# Altium PCB DIOT_Backplane.pcbdoc (part 10 of 11)
Units mm, origin at the board's own origin, x right, y up, seen from the top; angles counter-clockwise.
Board outline 304.8 x 128.5 mm, 14 copper layers (Top Layer, L2, L3GND, L4, L5GND, L6, L7GND, L8, L9GND, L10, L11GND, L12, L13GND, Bottom Layer), stack 4.06 mm thick; 141 components, 1224 nets, 5318 pads, 471 vias.
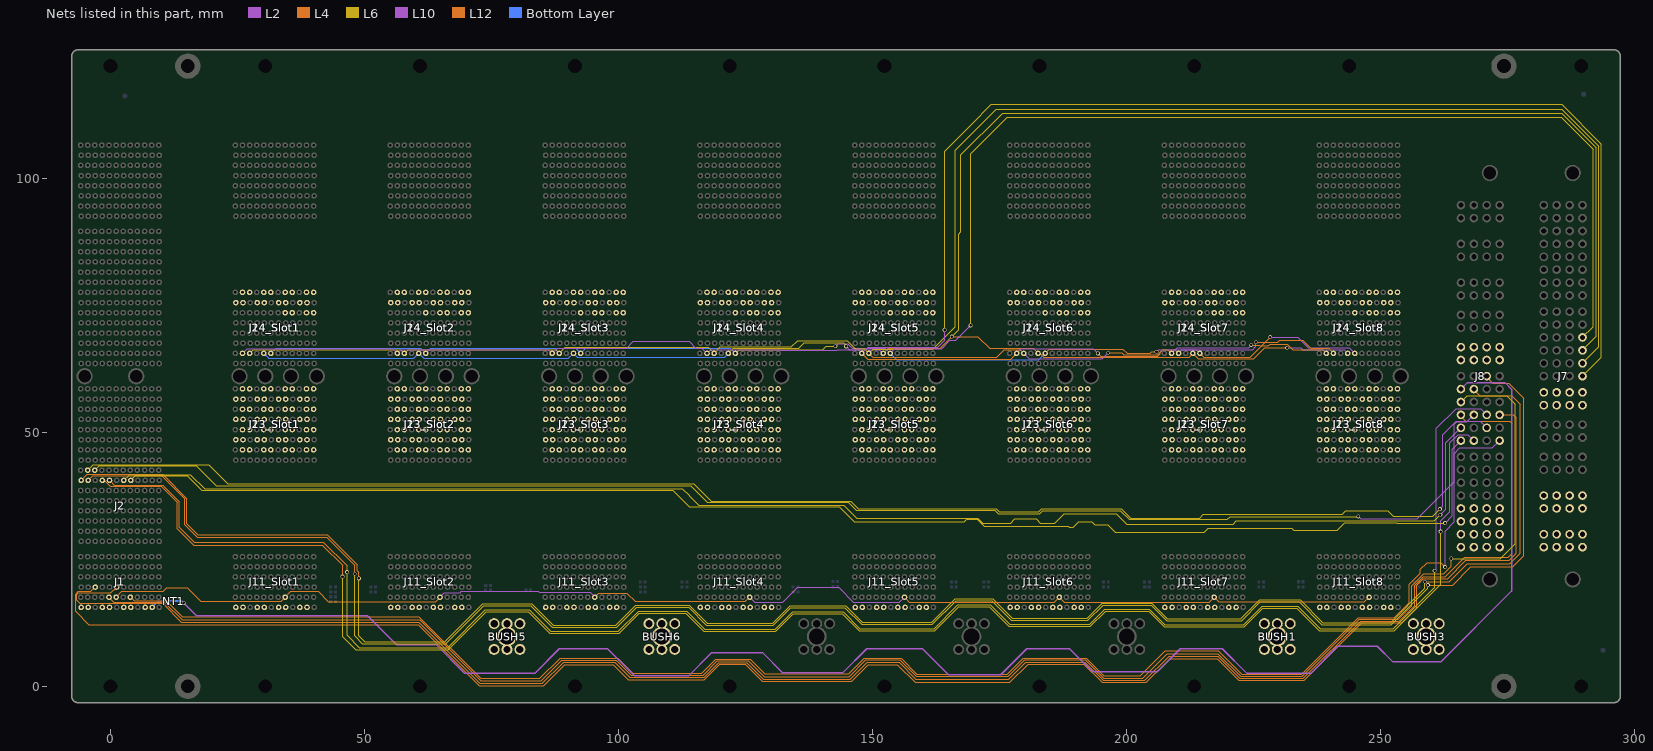
[diagram p22: the nets of this part, all layers, seen from the top]

## Via types
v1: diameter 0.75, hole 0.5, Top Layer to Bottom Layer, tented both sides, 429 vias
v2: diameter 0.85, hole 0.5, Top Layer to Bottom Layer, tented both sides, 32 vias
v3: diameter 1.3, hole 1, Top Layer to Bottom Layer, tented both sides, 10 vias

## Nets (pads, with @x,y where several pads share a name; then routed paths per layer and width w, separated by ;. In a path a pad name is that pad's centre, name@x,y a point inside that pad or via, vN(x,y) a via of type N, cw(c..) or ccw(c..) an arc to the next point about the centre after c; other vN are vias at no path point) (continued)
"IO27_Peripheral Slot 2": J14_Slot2.F6 J24_Slot2.F6
"IO27_Peripheral Slot 3": J14_Slot3.F6 J24_Slot3.F6
"IO27_Peripheral Slot 4": J14_Slot4.F6 J24_Slot4.F6
"IO27_Peripheral Slot 5": J14_Slot5.F6 J24_Slot5.F6
"IO27_Peripheral Slot 6": J14_Slot6.F6 J24_Slot6.F6
"IO27_Peripheral Slot 7": J14_Slot7.F6 J24_Slot7.F6
"IO27_Peripheral Slot 8": J14_Slot8.F6 J24_Slot8.F6
"IO28_Peripheral Slot 1": J14_Slot1.H6 J24_Slot1.H6
"IO28_Peripheral Slot 2": J14_Slot2.H6 J24_Slot2.H6
"IO28_Peripheral Slot 3": J14_Slot3.H6 J24_Slot3.H6
"IO28_Peripheral Slot 4": J14_Slot4.H6 J24_Slot4.H6
"IO28_Peripheral Slot 5": J14_Slot5.H6 J24_Slot5.H6
"IO28_Peripheral Slot 6": J14_Slot6.H6 J24_Slot6.H6
"IO28_Peripheral Slot 7": J14_Slot7.H6 J24_Slot7.H6
"IO28_Peripheral Slot 8": J14_Slot8.H6 J24_Slot8.H6
"IO29_Peripheral Slot 1": J14_Slot1.I6 J24_Slot1.I6
"IO29_Peripheral Slot 2": J14_Slot2.I6 J24_Slot2.I6
"IO29_Peripheral Slot 3": J14_Slot3.I6 J24_Slot3.I6
"IO29_Peripheral Slot 4": J14_Slot4.I6 J24_Slot4.I6
"IO29_Peripheral Slot 5": J14_Slot5.I6 J24_Slot5.I6
"IO29_Peripheral Slot 6": J14_Slot6.I6 J24_Slot6.I6
"IO29_Peripheral Slot 7": J14_Slot7.I6 J24_Slot7.I6
"IO29_Peripheral Slot 8": J14_Slot8.I6 J24_Slot8.I6
"IO30_Peripheral Slot 1": J14_Slot1.K6 J24_Slot1.K6
"IO30_Peripheral Slot 2": J14_Slot2.K6 J24_Slot2.K6
"IO30_Peripheral Slot 3": J14_Slot3.K6 J24_Slot3.K6
"IO30_Peripheral Slot 4": J14_Slot4.K6 J24_Slot4.K6
"IO30_Peripheral Slot 5": J14_Slot5.K6 J24_Slot5.K6
"IO30_Peripheral Slot 6": J14_Slot6.K6 J24_Slot6.K6
"IO30_Peripheral Slot 7": J14_Slot7.K6 J24_Slot7.K6
"IO30_Peripheral Slot 8": J14_Slot8.K6 J24_Slot8.K6
"IO31_Peripheral Slot 1": J14_Slot1.L6 J24_Slot1.L6
"IO31_Peripheral Slot 2": J14_Slot2.L6 J24_Slot2.L6
"IO31_Peripheral Slot 3": J14_Slot3.L6 J24_Slot3.L6
"IO31_Peripheral Slot 4": J14_Slot4.L6 J24_Slot4.L6
"IO31_Peripheral Slot 5": J14_Slot5.L6 J24_Slot5.L6
"IO31_Peripheral Slot 6": J14_Slot6.L6 J24_Slot6.L6
"IO31_Peripheral Slot 7": J14_Slot7.L6 J24_Slot7.L6
"IO31_Peripheral Slot 8": J14_Slot8.L6 J24_Slot8.L6
"IO32_Peripheral Slot 1": J14_Slot1.A7 J24_Slot1.A7
"IO32_Peripheral Slot 2": J14_Slot2.A7 J24_Slot2.A7
"IO32_Peripheral Slot 3": J14_Slot3.A7 J24_Slot3.A7
"IO32_Peripheral Slot 4": J14_Slot4.A7 J24_Slot4.A7
"IO32_Peripheral Slot 5": J14_Slot5.A7 J24_Slot5.A7
"IO32_Peripheral Slot 6": J14_Slot6.A7 J24_Slot6.A7
"IO32_Peripheral Slot 7": J14_Slot7.A7 J24_Slot7.A7
"IO32_Peripheral Slot 8": J14_Slot8.A7 J24_Slot8.A7
"IO33_Peripheral Slot 1": J14_Slot1.B7 J24_Slot1.B7
"IO33_Peripheral Slot 2": J14_Slot2.B7 J24_Slot2.B7
"IO33_Peripheral Slot 3": J14_Slot3.B7 J24_Slot3.B7
"IO33_Peripheral Slot 4": J14_Slot4.B7 J24_Slot4.B7
"IO33_Peripheral Slot 5": J14_Slot5.B7 J24_Slot5.B7
"IO33_Peripheral Slot 6": J14_Slot6.B7 J24_Slot6.B7
"IO33_Peripheral Slot 7": J14_Slot7.B7 J24_Slot7.B7
"IO33_Peripheral Slot 8": J14_Slot8.B7 J24_Slot8.B7
"IO34_Peripheral Slot 1": J14_Slot1.D7 J24_Slot1.D7
"IO34_Peripheral Slot 2": J14_Slot2.D7 J24_Slot2.D7
"IO34_Peripheral Slot 3": J14_Slot3.D7 J24_Slot3.D7
"IO34_Peripheral Slot 4": J14_Slot4.D7 J24_Slot4.D7
"IO34_Peripheral Slot 5": J14_Slot5.D7 J24_Slot5.D7
"IO34_Peripheral Slot 6": J14_Slot6.D7 J24_Slot6.D7
"IO34_Peripheral Slot 7": J14_Slot7.D7 J24_Slot7.D7
"IO34_Peripheral Slot 8": J14_Slot8.D7 J24_Slot8.D7
"IO35_Peripheral Slot 1": J14_Slot1.E7 J24_Slot1.E7
"IO35_Peripheral Slot 2": J14_Slot2.E7 J24_Slot2.E7
"IO35_Peripheral Slot 3": J14_Slot3.E7 J24_Slot3.E7
"IO35_Peripheral Slot 4": J14_Slot4.E7 J24_Slot4.E7
"IO35_Peripheral Slot 5": J14_Slot5.E7 J24_Slot5.E7
"IO35_Peripheral Slot 6": J14_Slot6.E7 J24_Slot6.E7
"IO35_Peripheral Slot 7": J14_Slot7.E7 J24_Slot7.E7
"IO35_Peripheral Slot 8": J14_Slot8.E7 J24_Slot8.E7
"IO36_Peripheral Slot 1": J14_Slot1.G7 J24_Slot1.G7
"IO36_Peripheral Slot 2": J14_Slot2.G7 J24_Slot2.G7
"IO36_Peripheral Slot 3": J14_Slot3.G7 J24_Slot3.G7
"IO36_Peripheral Slot 4": J14_Slot4.G7 J24_Slot4.G7
"IO36_Peripheral Slot 5": J14_Slot5.G7 J24_Slot5.G7
"IO36_Peripheral Slot 6": J14_Slot6.G7 J24_Slot6.G7
"IO36_Peripheral Slot 7": J14_Slot7.G7 J24_Slot7.G7
"IO36_Peripheral Slot 8": J14_Slot8.G7 J24_Slot8.G7
"IO37_Peripheral Slot 1": J14_Slot1.H7 J24_Slot1.H7
"IO37_Peripheral Slot 2": J14_Slot2.H7 J24_Slot2.H7
"IO37_Peripheral Slot 3": J14_Slot3.H7 J24_Slot3.H7
"IO37_Peripheral Slot 4": J14_Slot4.H7 J24_Slot4.H7
"IO37_Peripheral Slot 5": J14_Slot5.H7 J24_Slot5.H7
"IO37_Peripheral Slot 6": J14_Slot6.H7 J24_Slot6.H7
"IO37_Peripheral Slot 7": J14_Slot7.H7 J24_Slot7.H7
"IO37_Peripheral Slot 8": J14_Slot8.H7 J24_Slot8.H7
"IO38_Peripheral Slot 1": J14_Slot1.J7 J24_Slot1.J7
"IO38_Peripheral Slot 2": J14_Slot2.J7 J24_Slot2.J7
"IO38_Peripheral Slot 3": J14_Slot3.J7 J24_Slot3.J7
"IO38_Peripheral Slot 4": J14_Slot4.J7 J24_Slot4.J7
"IO38_Peripheral Slot 5": J14_Slot5.J7 J24_Slot5.J7
"IO38_Peripheral Slot 6": J14_Slot6.J7 J24_Slot6.J7
"IO38_Peripheral Slot 7": J14_Slot7.J7 J24_Slot7.J7
"IO38_Peripheral Slot 8": J14_Slot8.J7 J24_Slot8.J7
"IO39_Peripheral Slot 1": J14_Slot1.K7 J24_Slot1.K7
"IO39_Peripheral Slot 2": J14_Slot2.K7 J24_Slot2.K7
"IO39_Peripheral Slot 3": J14_Slot3.K7 J24_Slot3.K7
"IO39_Peripheral Slot 4": J14_Slot4.K7 J24_Slot4.K7
"IO39_Peripheral Slot 5": J14_Slot5.K7 J24_Slot5.K7
"IO39_Peripheral Slot 6": J14_Slot6.K7 J24_Slot6.K7
"IO39_Peripheral Slot 7": J14_Slot7.K7 J24_Slot7.K7
"IO39_Peripheral Slot 8": J14_Slot8.K7 J24_Slot8.K7
"IO40_Peripheral Slot 1": J14_Slot1.B8 J24_Slot1.B8
"IO40_Peripheral Slot 2": J14_Slot2.B8 J24_Slot2.B8
"IO40_Peripheral Slot 3": J14_Slot3.B8 J24_Slot3.B8
"IO40_Peripheral Slot 4": J14_Slot4.B8 J24_Slot4.B8
"IO40_Peripheral Slot 5": J14_Slot5.B8 J24_Slot5.B8
"IO40_Peripheral Slot 6": J14_Slot6.B8 J24_Slot6.B8
"IO40_Peripheral Slot 7": J14_Slot7.B8 J24_Slot7.B8
"IO40_Peripheral Slot 8": J14_Slot8.B8 J24_Slot8.B8
"IO41_Peripheral Slot 1": J14_Slot1.C8 J24_Slot1.C8
"IO41_Peripheral Slot 2": J14_Slot2.C8 J24_Slot2.C8
"IO41_Peripheral Slot 3": J14_Slot3.C8 J24_Slot3.C8
"IO41_Peripheral Slot 4": J14_Slot4.C8 J24_Slot4.C8
"IO41_Peripheral Slot 5": J14_Slot5.C8 J24_Slot5.C8
"IO41_Peripheral Slot 6": J14_Slot6.C8 J24_Slot6.C8
"IO41_Peripheral Slot 7": J14_Slot7.C8 J24_Slot7.C8
"IO41_Peripheral Slot 8": J14_Slot8.C8 J24_Slot8.C8
"IO42_Peripheral Slot 1": J14_Slot1.E8 J24_Slot1.E8
"IO42_Peripheral Slot 2": J14_Slot2.E8 J24_Slot2.E8
"IO42_Peripheral Slot 3": J14_Slot3.E8 J24_Slot3.E8
"IO42_Peripheral Slot 4": J14_Slot4.E8 J24_Slot4.E8
"IO42_Peripheral Slot 5": J14_Slot5.E8 J24_Slot5.E8
"IO42_Peripheral Slot 6": J14_Slot6.E8 J24_Slot6.E8
"IO42_Peripheral Slot 7": J14_Slot7.E8 J24_Slot7.E8
"IO42_Peripheral Slot 8": J14_Slot8.E8 J24_Slot8.E8
"IO43_Peripheral Slot 1": J14_Slot1.F8 J24_Slot1.F8
"IO43_Peripheral Slot 2": J14_Slot2.F8 J24_Slot2.F8
"IO43_Peripheral Slot 3": J14_Slot3.F8 J24_Slot3.F8
"IO43_Peripheral Slot 4": J14_Slot4.F8 J24_Slot4.F8
"IO43_Peripheral Slot 5": J14_Slot5.F8 J24_Slot5.F8
"IO43_Peripheral Slot 6": J14_Slot6.F8 J24_Slot6.F8
"IO43_Peripheral Slot 7": J14_Slot7.F8 J24_Slot7.F8
"IO43_Peripheral Slot 8": J14_Slot8.F8 J24_Slot8.F8
"IO44_Peripheral Slot 1": J14_Slot1.H8 J24_Slot1.H8
"IO44_Peripheral Slot 2": J14_Slot2.H8 J24_Slot2.H8
"IO44_Peripheral Slot 3": J14_Slot3.H8 J24_Slot3.H8
"IO44_Peripheral Slot 4": J14_Slot4.H8 J24_Slot4.H8
"IO44_Peripheral Slot 5": J14_Slot5.H8 J24_Slot5.H8
"IO44_Peripheral Slot 6": J14_Slot6.H8 J24_Slot6.H8
"IO44_Peripheral Slot 7": J14_Slot7.H8 J24_Slot7.H8
"IO44_Peripheral Slot 8": J14_Slot8.H8 J24_Slot8.H8
"IO45_Peripheral Slot 1": J14_Slot1.I8 J24_Slot1.I8
"IO45_Peripheral Slot 2": J14_Slot2.I8 J24_Slot2.I8
"IO45_Peripheral Slot 3": J14_Slot3.I8 J24_Slot3.I8
"IO45_Peripheral Slot 4": J14_Slot4.I8 J24_Slot4.I8
"IO45_Peripheral Slot 5": J14_Slot5.I8 J24_Slot5.I8
"IO45_Peripheral Slot 6": J14_Slot6.I8 J24_Slot6.I8
"IO45_Peripheral Slot 7": J14_Slot7.I8 J24_Slot7.I8
"IO45_Peripheral Slot 8": J14_Slot8.I8 J24_Slot8.I8
"IO46_Peripheral Slot 1": J14_Slot1.K8 J24_Slot1.K8
"IO46_Peripheral Slot 2": J14_Slot2.K8 J24_Slot2.K8
"IO46_Peripheral Slot 3": J14_Slot3.K8 J24_Slot3.K8
"IO46_Peripheral Slot 4": J14_Slot4.K8 J24_Slot4.K8
"IO46_Peripheral Slot 5": J14_Slot5.K8 J24_Slot5.K8
"IO46_Peripheral Slot 6": J14_Slot6.K8 J24_Slot6.K8
"IO46_Peripheral Slot 7": J14_Slot7.K8 J24_Slot7.K8
"IO46_Peripheral Slot 8": J14_Slot8.K8 J24_Slot8.K8
"IO47_Peripheral Slot 1": J14_Slot1.L8 J24_Slot1.L8
"IO47_Peripheral Slot 2": J14_Slot2.L8 J24_Slot2.L8
"IO47_Peripheral Slot 3": J14_Slot3.L8 J24_Slot3.L8
"IO47_Peripheral Slot 4": J14_Slot4.L8 J24_Slot4.L8
"IO47_Peripheral Slot 5": J14_Slot5.L8 J24_Slot5.L8
"IO47_Peripheral Slot 6": J14_Slot6.L8 J24_Slot6.L8
"IO47_Peripheral Slot 7": J14_Slot7.L8 J24_Slot7.L8
"IO47_Peripheral Slot 8": J14_Slot8.L8 J24_Slot8.L8
"IO48_Peripheral Slot 1": J13_Slot1.B2 J23_Slot1.B2
"IO48_Peripheral Slot 2": J13_Slot2.B2 J23_Slot2.B2
"IO48_Peripheral Slot 3": J13_Slot3.B2 J23_Slot3.B2
"IO48_Peripheral Slot 4": J13_Slot4.B2 J23_Slot4.B2
"IO48_Peripheral Slot 5": J13_Slot5.B2 J23_Slot5.B2
"IO48_Peripheral Slot 6": J13_Slot6.B2 J23_Slot6.B2
"IO48_Peripheral Slot 7": J13_Slot7.B2 J23_Slot7.B2
"IO48_Peripheral Slot 8": J13_Slot8.B2 J23_Slot8.B2
"IO49_Peripheral Slot 1": J13_Slot1.C2 J23_Slot1.C2
"IO49_Peripheral Slot 2": J13_Slot2.C2 J23_Slot2.C2
"IO49_Peripheral Slot 3": J13_Slot3.C2 J23_Slot3.C2
"IO49_Peripheral Slot 4": J13_Slot4.C2 J23_Slot4.C2
"IO49_Peripheral Slot 5": J13_Slot5.C2 J23_Slot5.C2
"IO49_Peripheral Slot 6": J13_Slot6.C2 J23_Slot6.C2
"IO49_Peripheral Slot 7": J13_Slot7.C2 J23_Slot7.C2
"IO49_Peripheral Slot 8": J13_Slot8.C2 J23_Slot8.C2
"IO50_Peripheral Slot 1": J13_Slot1.E2 J23_Slot1.E2
"IO50_Peripheral Slot 2": J13_Slot2.E2 J23_Slot2.E2
"IO50_Peripheral Slot 3": J13_Slot3.E2 J23_Slot3.E2
"IO50_Peripheral Slot 4": J13_Slot4.E2 J23_Slot4.E2
"IO50_Peripheral Slot 5": J13_Slot5.E2 J23_Slot5.E2
"IO50_Peripheral Slot 6": J13_Slot6.E2 J23_Slot6.E2
"IO50_Peripheral Slot 7": J13_Slot7.E2 J23_Slot7.E2
"IO50_Peripheral Slot 8": J13_Slot8.E2 J23_Slot8.E2
"IO51_Peripheral Slot 1": J13_Slot1.F2 J23_Slot1.F2
"IO51_Peripheral Slot 2": J13_Slot2.F2 J23_Slot2.F2
"IO51_Peripheral Slot 3": J13_Slot3.F2 J23_Slot3.F2
"IO51_Peripheral Slot 4": J13_Slot4.F2 J23_Slot4.F2
"IO51_Peripheral Slot 5": J13_Slot5.F2 J23_Slot5.F2
"IO51_Peripheral Slot 6": J13_Slot6.F2 J23_Slot6.F2
"IO51_Peripheral Slot 7": J13_Slot7.F2 J23_Slot7.F2
"IO51_Peripheral Slot 8": J13_Slot8.F2 J23_Slot8.F2
"IO52_Peripheral Slot 1": J13_Slot1.H2 J23_Slot1.H2
"IO52_Peripheral Slot 2": J13_Slot2.H2 J23_Slot2.H2
"IO52_Peripheral Slot 3": J13_Slot3.H2 J23_Slot3.H2
"IO52_Peripheral Slot 4": J13_Slot4.H2 J23_Slot4.H2
"IO52_Peripheral Slot 5": J13_Slot5.H2 J23_Slot5.H2
"IO52_Peripheral Slot 6": J13_Slot6.H2 J23_Slot6.H2
"IO52_Peripheral Slot 7": J13_Slot7.H2 J23_Slot7.H2
"IO52_Peripheral Slot 8": J13_Slot8.H2 J23_Slot8.H2
"IO53_Peripheral Slot 1": J13_Slot1.I2 J23_Slot1.I2
"IO53_Peripheral Slot 2": J13_Slot2.I2 J23_Slot2.I2
"IO53_Peripheral Slot 3": J13_Slot3.I2 J23_Slot3.I2
"IO53_Peripheral Slot 4": J13_Slot4.I2 J23_Slot4.I2
"IO53_Peripheral Slot 5": J13_Slot5.I2 J23_Slot5.I2
"IO53_Peripheral Slot 6": J13_Slot6.I2 J23_Slot6.I2
"IO53_Peripheral Slot 7": J13_Slot7.I2 J23_Slot7.I2
"IO53_Peripheral Slot 8": J13_Slot8.I2 J23_Slot8.I2
"IO54_Peripheral Slot 1": J13_Slot1.K2 J23_Slot1.K2
"IO54_Peripheral Slot 2": J13_Slot2.K2 J23_Slot2.K2
"IO54_Peripheral Slot 3": J13_Slot3.K2 J23_Slot3.K2
"IO54_Peripheral Slot 4": J13_Slot4.K2 J23_Slot4.K2
"IO54_Peripheral Slot 5": J13_Slot5.K2 J23_Slot5.K2
"IO54_Peripheral Slot 6": J13_Slot6.K2 J23_Slot6.K2
"IO54_Peripheral Slot 7": J13_Slot7.K2 J23_Slot7.K2
"IO54_Peripheral Slot 8": J13_Slot8.K2 J23_Slot8.K2
"IO55_Peripheral Slot 1": J13_Slot1.L2 J23_Slot1.L2
"IO55_Peripheral Slot 2": J13_Slot2.L2 J23_Slot2.L2
"IO55_Peripheral Slot 3": J13_Slot3.L2 J23_Slot3.L2
"IO55_Peripheral Slot 4": J13_Slot4.L2 J23_Slot4.L2
"IO55_Peripheral Slot 5": J13_Slot5.L2 J23_Slot5.L2
"IO55_Peripheral Slot 6": J13_Slot6.L2 J23_Slot6.L2
"IO55_Peripheral Slot 7": J13_Slot7.L2 J23_Slot7.L2
"IO55_Peripheral Slot 8": J13_Slot8.L2 J23_Slot8.L2
"IO56_Peripheral Slot 1": J13_Slot1.A3 J23_Slot1.A3
"IO56_Peripheral Slot 2": J13_Slot2.A3 J23_Slot2.A3
"IO56_Peripheral Slot 3": J13_Slot3.A3 J23_Slot3.A3
"IO56_Peripheral Slot 4": J13_Slot4.A3 J23_Slot4.A3
"IO56_Peripheral Slot 5": J13_Slot5.A3 J23_Slot5.A3
"IO56_Peripheral Slot 6": J13_Slot6.A3 J23_Slot6.A3
"IO56_Peripheral Slot 7": J13_Slot7.A3 J23_Slot7.A3
"IO56_Peripheral Slot 8": J13_Slot8.A3 J23_Slot8.A3
"IO57_Peripheral Slot 1": J13_Slot1.B3 J23_Slot1.B3
"IO57_Peripheral Slot 2": J13_Slot2.B3 J23_Slot2.B3
"IO57_Peripheral Slot 3": J13_Slot3.B3 J23_Slot3.B3
"IO57_Peripheral Slot 4": J13_Slot4.B3 J23_Slot4.B3
"IO57_Peripheral Slot 5": J13_Slot5.B3 J23_Slot5.B3
"IO57_Peripheral Slot 6": J13_Slot6.B3 J23_Slot6.B3
"IO57_Peripheral Slot 7": J13_Slot7.B3 J23_Slot7.B3
"IO57_Peripheral Slot 8": J13_Slot8.B3 J23_Slot8.B3
"IO58_Peripheral Slot 1": J13_Slot1.D3 J23_Slot1.D3
"IO58_Peripheral Slot 2": J13_Slot2.D3 J23_Slot2.D3
"IO58_Peripheral Slot 3": J13_Slot3.D3 J23_Slot3.D3
"IO58_Peripheral Slot 4": J13_Slot4.D3 J23_Slot4.D3
"IO58_Peripheral Slot 5": J13_Slot5.D3 J23_Slot5.D3
"IO58_Peripheral Slot 6": J13_Slot6.D3 J23_Slot6.D3
"IO58_Peripheral Slot 7": J13_Slot7.D3 J23_Slot7.D3
"IO58_Peripheral Slot 8": J13_Slot8.D3 J23_Slot8.D3
"IO59_Peripheral Slot 1": J13_Slot1.E3 J23_Slot1.E3
"IO59_Peripheral Slot 2": J13_Slot2.E3 J23_Slot2.E3
"IO59_Peripheral Slot 3": J13_Slot3.E3 J23_Slot3.E3
"IO59_Peripheral Slot 4": J13_Slot4.E3 J23_Slot4.E3
"IO59_Peripheral Slot 5": J13_Slot5.E3 J23_Slot5.E3
"IO59_Peripheral Slot 6": J13_Slot6.E3 J23_Slot6.E3
"IO59_Peripheral Slot 7": J13_Slot7.E3 J23_Slot7.E3
"IO59_Peripheral Slot 8": J13_Slot8.E3 J23_Slot8.E3
"IO60_Peripheral Slot 1": J13_Slot1.G3 J23_Slot1.G3
"IO60_Peripheral Slot 2": J13_Slot2.G3 J23_Slot2.G3
"IO60_Peripheral Slot 3": J13_Slot3.G3 J23_Slot3.G3
"IO60_Peripheral Slot 4": J13_Slot4.G3 J23_Slot4.G3
"IO60_Peripheral Slot 5": J13_Slot5.G3 J23_Slot5.G3
"IO60_Peripheral Slot 6": J13_Slot6.G3 J23_Slot6.G3
"IO60_Peripheral Slot 7": J13_Slot7.G3 J23_Slot7.G3
"IO60_Peripheral Slot 8": J13_Slot8.G3 J23_Slot8.G3
"IO61_Peripheral Slot 1": J13_Slot1.H3 J23_Slot1.H3
"IO61_Peripheral Slot 2": J13_Slot2.H3 J23_Slot2.H3
"IO61_Peripheral Slot 3": J13_Slot3.H3 J23_Slot3.H3
"IO61_Peripheral Slot 4": J13_Slot4.H3 J23_Slot4.H3
"IO61_Peripheral Slot 5": J13_Slot5.H3 J23_Slot5.H3
"IO61_Peripheral Slot 6": J13_Slot6.H3 J23_Slot6.H3
"IO61_Peripheral Slot 7": J13_Slot7.H3 J23_Slot7.H3
"IO61_Peripheral Slot 8": J13_Slot8.H3 J23_Slot8.H3
"IO62_Peripheral Slot 1": J13_Slot1.J3 J23_Slot1.J3
"IO62_Peripheral Slot 2": J13_Slot2.J3 J23_Slot2.J3
"IO62_Peripheral Slot 3": J13_Slot3.J3 J23_Slot3.J3
"IO62_Peripheral Slot 4": J13_Slot4.J3 J23_Slot4.J3
"IO62_Peripheral Slot 5": J13_Slot5.J3 J23_Slot5.J3
"IO62_Peripheral Slot 6": J13_Slot6.J3 J23_Slot6.J3
"IO62_Peripheral Slot 7": J13_Slot7.J3 J23_Slot7.J3
"IO62_Peripheral Slot 8": J13_Slot8.J3 J23_Slot8.J3
"IO63_Peripheral Slot 1": J13_Slot1.K3 J23_Slot1.K3
"IO63_Peripheral Slot 2": J13_Slot2.K3 J23_Slot2.K3
"IO63_Peripheral Slot 3": J13_Slot3.K3 J23_Slot3.K3
"IO63_Peripheral Slot 4": J13_Slot4.K3 J23_Slot4.K3
"IO63_Peripheral Slot 5": J13_Slot5.K3 J23_Slot5.K3
"IO63_Peripheral Slot 6": J13_Slot6.K3 J23_Slot6.K3
"IO63_Peripheral Slot 7": J13_Slot7.K3 J23_Slot7.K3
"IO63_Peripheral Slot 8": J13_Slot8.K3 J23_Slot8.K3
"IO64_Peripheral Slot 1": J13_Slot1.B4 J23_Slot1.B4
"IO64_Peripheral Slot 2": J13_Slot2.B4 J23_Slot2.B4
"IO64_Peripheral Slot 3": J13_Slot3.B4 J23_Slot3.B4
"IO64_Peripheral Slot 4": J13_Slot4.B4 J23_Slot4.B4
"IO64_Peripheral Slot 5": J13_Slot5.B4 J23_Slot5.B4
"IO64_Peripheral Slot 6": J13_Slot6.B4 J23_Slot6.B4
"IO64_Peripheral Slot 7": J13_Slot7.B4 J23_Slot7.B4
"IO64_Peripheral Slot 8": J13_Slot8.B4 J23_Slot8.B4
"IO65_Peripheral Slot 1": J13_Slot1.C4 J23_Slot1.C4
"IO65_Peripheral Slot 2": J13_Slot2.C4 J23_Slot2.C4
"IO65_Peripheral Slot 3": J13_Slot3.C4 J23_Slot3.C4
"IO65_Peripheral Slot 4": J13_Slot4.C4 J23_Slot4.C4
"IO65_Peripheral Slot 5": J13_Slot5.C4 J23_Slot5.C4
"IO65_Peripheral Slot 6": J13_Slot6.C4 J23_Slot6.C4
"IO65_Peripheral Slot 7": J13_Slot7.C4 J23_Slot7.C4
"IO65_Peripheral Slot 8": J13_Slot8.C4 J23_Slot8.C4
"IO66_Peripheral Slot 1": J13_Slot1.E4 J23_Slot1.E4
"IO66_Peripheral Slot 2": J13_Slot2.E4 J23_Slot2.E4
"IO66_Peripheral Slot 3": J13_Slot3.E4 J23_Slot3.E4
"IO66_Peripheral Slot 4": J13_Slot4.E4 J23_Slot4.E4
"IO66_Peripheral Slot 5": J13_Slot5.E4 J23_Slot5.E4
"IO66_Peripheral Slot 6": J13_Slot6.E4 J23_Slot6.E4
"IO66_Peripheral Slot 7": J13_Slot7.E4 J23_Slot7.E4
"IO66_Peripheral Slot 8": J13_Slot8.E4 J23_Slot8.E4
"IO67_Peripheral Slot 1": J13_Slot1.F4 J23_Slot1.F4
"IO67_Peripheral Slot 2": J13_Slot2.F4 J23_Slot2.F4
"IO67_Peripheral Slot 3": J13_Slot3.F4 J23_Slot3.F4
"IO67_Peripheral Slot 4": J13_Slot4.F4 J23_Slot4.F4
"IO67_Peripheral Slot 5": J13_Slot5.F4 J23_Slot5.F4
"IO67_Peripheral Slot 6": J13_Slot6.F4 J23_Slot6.F4
"IO67_Peripheral Slot 7": J13_Slot7.F4 J23_Slot7.F4
"IO67_Peripheral Slot 8": J13_Slot8.F4 J23_Slot8.F4
"IO68_Peripheral Slot 1": J13_Slot1.H4 J23_Slot1.H4
"IO68_Peripheral Slot 2": J13_Slot2.H4 J23_Slot2.H4
"IO68_Peripheral Slot 3": J13_Slot3.H4 J23_Slot3.H4
"IO68_Peripheral Slot 4": J13_Slot4.H4 J23_Slot4.H4
"IO68_Peripheral Slot 5": J13_Slot5.H4 J23_Slot5.H4
"IO68_Peripheral Slot 6": J13_Slot6.H4 J23_Slot6.H4
"IO68_Peripheral Slot 7": J13_Slot7.H4 J23_Slot7.H4
"IO68_Peripheral Slot 8": J13_Slot8.H4 J23_Slot8.H4
"IO69_Peripheral Slot 1": J13_Slot1.I4 J23_Slot1.I4
"IO69_Peripheral Slot 2": J13_Slot2.I4 J23_Slot2.I4
"IO69_Peripheral Slot 3": J13_Slot3.I4 J23_Slot3.I4
"IO69_Peripheral Slot 4": J13_Slot4.I4 J23_Slot4.I4
"IO69_Peripheral Slot 5": J13_Slot5.I4 J23_Slot5.I4
"IO69_Peripheral Slot 6": J13_Slot6.I4 J23_Slot6.I4
"IO69_Peripheral Slot 7": J13_Slot7.I4 J23_Slot7.I4
"IO69_Peripheral Slot 8": J13_Slot8.I4 J23_Slot8.I4
"IO70_Peripheral Slot 1": J13_Slot1.K4 J23_Slot1.K4
"IO70_Peripheral Slot 2": J13_Slot2.K4 J23_Slot2.K4
"IO70_Peripheral Slot 3": J13_Slot3.K4 J23_Slot3.K4
"IO70_Peripheral Slot 4": J13_Slot4.K4 J23_Slot4.K4
"IO70_Peripheral Slot 5": J13_Slot5.K4 J23_Slot5.K4
"IO70_Peripheral Slot 6": J13_Slot6.K4 J23_Slot6.K4
"IO70_Peripheral Slot 7": J13_Slot7.K4 J23_Slot7.K4
"IO70_Peripheral Slot 8": J13_Slot8.K4 J23_Slot8.K4
"IO71_Peripheral Slot 1": J13_Slot1.L4 J23_Slot1.L4
"IO71_Peripheral Slot 2": J13_Slot2.L4 J23_Slot2.L4
"IO71_Peripheral Slot 3": J13_Slot3.L4 J23_Slot3.L4
"IO71_Peripheral Slot 4": J13_Slot4.L4 J23_Slot4.L4
"IO71_Peripheral Slot 5": J13_Slot5.L4 J23_Slot5.L4
"IO71_Peripheral Slot 6": J13_Slot6.L4 J23_Slot6.L4
"IO71_Peripheral Slot 7": J13_Slot7.L4 J23_Slot7.L4
"IO71_Peripheral Slot 8": J13_Slot8.L4 J23_Slot8.L4
"IO72_Peripheral Slot 1": J13_Slot1.A5 J23_Slot1.A5
"IO72_Peripheral Slot 2": J13_Slot2.A5 J23_Slot2.A5
"IO72_Peripheral Slot 3": J13_Slot3.A5 J23_Slot3.A5
"IO72_Peripheral Slot 4": J13_Slot4.A5 J23_Slot4.A5
"IO72_Peripheral Slot 5": J13_Slot5.A5 J23_Slot5.A5
"IO72_Peripheral Slot 6": J13_Slot6.A5 J23_Slot6.A5
"IO72_Peripheral Slot 7": J13_Slot7.A5 J23_Slot7.A5
"IO72_Peripheral Slot 8": J13_Slot8.A5 J23_Slot8.A5
"IO73_Peripheral Slot 1": J13_Slot1.B5 J23_Slot1.B5
"IO73_Peripheral Slot 2": J13_Slot2.B5 J23_Slot2.B5
"IO73_Peripheral Slot 3": J13_Slot3.B5 J23_Slot3.B5
"IO73_Peripheral Slot 4": J13_Slot4.B5 J23_Slot4.B5
"IO73_Peripheral Slot 5": J13_Slot5.B5 J23_Slot5.B5
"IO73_Peripheral Slot 6": J13_Slot6.B5 J23_Slot6.B5
"IO73_Peripheral Slot 7": J13_Slot7.B5 J23_Slot7.B5
"IO73_Peripheral Slot 8": J13_Slot8.B5 J23_Slot8.B5
"IO74_Peripheral Slot 1": J13_Slot1.D5 J23_Slot1.D5
"IO74_Peripheral Slot 2": J13_Slot2.D5 J23_Slot2.D5
"IO74_Peripheral Slot 3": J13_Slot3.D5 J23_Slot3.D5
"IO74_Peripheral Slot 4": J13_Slot4.D5 J23_Slot4.D5
"IO74_Peripheral Slot 5": J13_Slot5.D5 J23_Slot5.D5
"IO74_Peripheral Slot 6": J13_Slot6.D5 J23_Slot6.D5
"IO74_Peripheral Slot 7": J13_Slot7.D5 J23_Slot7.D5
"IO74_Peripheral Slot 8": J13_Slot8.D5 J23_Slot8.D5
"IO75_Peripheral Slot 1": J13_Slot1.E5 J23_Slot1.E5
"IO75_Peripheral Slot 2": J13_Slot2.E5 J23_Slot2.E5
"IO75_Peripheral Slot 3": J13_Slot3.E5 J23_Slot3.E5
"IO75_Peripheral Slot 4": J13_Slot4.E5 J23_Slot4.E5
"IO75_Peripheral Slot 5": J13_Slot5.E5 J23_Slot5.E5
"IO75_Peripheral Slot 6": J13_Slot6.E5 J23_Slot6.E5
"IO75_Peripheral Slot 7": J13_Slot7.E5 J23_Slot7.E5
"IO75_Peripheral Slot 8": J13_Slot8.E5 J23_Slot8.E5
"IO76_Peripheral Slot 1": J13_Slot1.G5 J23_Slot1.G5
"IO76_Peripheral Slot 2": J13_Slot2.G5 J23_Slot2.G5
"IO76_Peripheral Slot 3": J13_Slot3.G5 J23_Slot3.G5
"IO76_Peripheral Slot 4": J13_Slot4.G5 J23_Slot4.G5
"IO76_Peripheral Slot 5": J13_Slot5.G5 J23_Slot5.G5
"IO76_Peripheral Slot 6": J13_Slot6.G5 J23_Slot6.G5
"IO76_Peripheral Slot 7": J13_Slot7.G5 J23_Slot7.G5
"IO76_Peripheral Slot 8": J13_Slot8.G5 J23_Slot8.G5
"IO77_Peripheral Slot 1": J13_Slot1.H5 J23_Slot1.H5
"IO77_Peripheral Slot 2": J13_Slot2.H5 J23_Slot2.H5
"IO77_Peripheral Slot 3": J13_Slot3.H5 J23_Slot3.H5
"IO77_Peripheral Slot 4": J13_Slot4.H5 J23_Slot4.H5
"IO77_Peripheral Slot 5": J13_Slot5.H5 J23_Slot5.H5
"IO77_Peripheral Slot 6": J13_Slot6.H5 J23_Slot6.H5
"IO77_Peripheral Slot 7": J13_Slot7.H5 J23_Slot7.H5
"IO77_Peripheral Slot 8": J13_Slot8.H5 J23_Slot8.H5
"IO78_Peripheral Slot 1": J13_Slot1.J5 J23_Slot1.J5
"IO78_Peripheral Slot 2": J13_Slot2.J5 J23_Slot2.J5
"IO78_Peripheral Slot 3": J13_Slot3.J5 J23_Slot3.J5
"IO78_Peripheral Slot 4": J13_Slot4.J5 J23_Slot4.J5
"IO78_Peripheral Slot 5": J13_Slot5.J5 J23_Slot5.J5
"IO78_Peripheral Slot 6": J13_Slot6.J5 J23_Slot6.J5
"IO78_Peripheral Slot 7": J13_Slot7.J5 J23_Slot7.J5
"IO78_Peripheral Slot 8": J13_Slot8.J5 J23_Slot8.J5
"IO79_Peripheral Slot 1": J13_Slot1.K5 J23_Slot1.K5
"IO79_Peripheral Slot 2": J13_Slot2.K5 J23_Slot2.K5
"IO79_Peripheral Slot 3": J13_Slot3.K5 J23_Slot3.K5
"IO79_Peripheral Slot 4": J13_Slot4.K5 J23_Slot4.K5
"IO79_Peripheral Slot 5": J13_Slot5.K5 J23_Slot5.K5
"IO79_Peripheral Slot 6": J13_Slot6.K5 J23_Slot6.K5
"IO79_Peripheral Slot 7": J13_Slot7.K5 J23_Slot7.K5
"IO79_Peripheral Slot 8": J13_Slot8.K5 J23_Slot8.K5
"IO80_Peripheral Slot 1": J13_Slot1.B6 J23_Slot1.B6
"IO80_Peripheral Slot 2": J13_Slot2.B6 J23_Slot2.B6
"IO80_Peripheral Slot 3": J13_Slot3.B6 J23_Slot3.B6

## Text inside footprints (layer, text, board x,y; h text height)
J23_Slot2: Drill Drawing "Diam. 0.5mm +/-0.05" at 54.75,59.85 h1; Drill Drawing "PRESS-FIT TECHNOLOGY" at 54.75,61.35 h1; Bottom Overlay "8" at 73.38,58.2 h1 r270; Bottom Overlay "7" at 73.38,56.2 h1 r270; Bottom Overlay "6" at 73.38,54.2 h1 r270; Bottom Overlay "5" at 73.38,52.2 h1 r270; Bottom Overlay "4" at 73.38,50.2 h1 r270; Bottom Overlay "3" at 73.38,48.2 h1 r270; Bottom Overlay "2" at 73.38,46.2 h1 r270; Bottom Overlay "1" at 73.38,44.2 h1 r270; Bottom Overlay "L" at 70.08,42.35 h1 r270; Bottom Overlay "K" at 68.68,42.35 h1 r270; Bottom Overlay "J" at 67.28,42.35 h1 r270; Bottom Overlay "I" at 65.88,42.6 h1 r270; Bottom Overlay "H" at 64.48,42.35 h1 r270; Bottom Overlay "G" at 63.08,42.35 h1 r270; Bottom Overlay "F" at 61.68,42.35 h1 r270; Bottom Overlay "E" at 60.28,42.35 h1 r270; Bottom Overlay "C" at 57.48,42.35 h1 r270; Bottom Overlay "D" at 58.88,42.35 h1 r270; Bottom Overlay "B" at 56.08,42.35 h1 r270; Bottom Overlay "A" at 54.68,42.35 h1 r270; Mechanical 14 "8" at 73.38,58.2 h1 r270; Mechanical 14 "7" at 73.38,56.2 h1 r270; Mechanical 14 "6" at 73.38,54.2 h1 r270; Mechanical 14 "5" at 73.38,52.2 h1 r270; Mechanical 14 "4" at 73.38,50.2 h1 r270; Mechanical 14 "3" at 73.38,48.2 h1 r270; Mechanical 14 "2" at 73.38,46.2 h1 r270; Mechanical 14 "1" at 73.38,44.2 h1 r270; Mechanical 14 "L" at 70.08,42.35 h1 r270; Mechanical 14 "K" at 68.68,42.35 h1 r270; Mechanical 14 "J" at 67.28,42.35 h1 r270; Mechanical 14 "I" at 65.88,42.6 h1 r270; Mechanical 14 "H" at 64.48,42.35 h1 r270; Mechanical 14 "G" at 63.08,42.35 h1 r270; Mechanical 14 "F" at 61.68,42.35 h1 r270; Mechanical 14 "E" at 60.28,42.35 h1 r270; Mechanical 14 "D" at 58.88,42.35 h1 r270; Mechanical 14 "C" at 57.48,42.35 h1 r270; Mechanical 14 "B" at 56.08,42.35 h1 r270; Mechanical 14 "A" at 54.68,42.35 h1 r270
J23_Slot3: Drill Drawing "Diam. 0.5mm +/-0.05" at 85.47,59.85 h1; Drill Drawing "PRESS-FIT TECHNOLOGY" at 85.47,61.35 h1; Bottom Overlay "8" at 103.86,58.2 h1 r270; Bottom Overlay "7" at 103.86,56.2 h1 r270; Bottom Overlay "6" at 103.86,54.2 h1 r270; Bottom Overlay "5" at 103.86,52.2 h1 r270; Bottom Overlay "4" at 103.86,50.2 h1 r270; Bottom Overlay "3" at 103.86,48.2 h1 r270; Bottom Overlay "2" at 103.86,46.2 h1 r270; Bottom Overlay "1" at 103.86,44.2 h1 r270; Bottom Overlay "L" at 100.56,42.35 h1 r270; Bottom Overlay "K" at 99.16,42.35 h1 r270; Bottom Overlay "J" at 97.76,42.35 h1 r270; Bottom Overlay "I" at 96.36,42.6 h1 r270; Bottom Overlay "H" at 94.96,42.35 h1 r270; Bottom Overlay "G" at 93.56,42.35 h1 r270; Bottom Overlay "F" at 92.16,42.35 h1 r270; Bottom Overlay "E" at 90.76,42.35 h1 r270; Bottom Overlay "C" at 87.96,42.35 h1 r270; Bottom Overlay "D" at 89.36,42.35 h1 r270; Bottom Overlay "B" at 86.56,42.35 h1 r270; Bottom Overlay "A" at 85.16,42.35 h1 r270; Mechanical 14 "8" at 103.86,58.2 h1 r270; Mechanical 14 "7" at 103.86,56.2 h1 r270; Mechanical 14 "6" at 103.86,54.2 h1 r270; Mechanical 14 "5" at 103.86,52.2 h1 r270; Mechanical 14 "4" at 103.86,50.2 h1 r270; Mechanical 14 "3" at 103.86,48.2 h1 r270; Mechanical 14 "2" at 103.86,46.2 h1 r270; Mechanical 14 "1" at 103.86,44.2 h1 r270; Mechanical 14 "L" at 100.56,42.35 h1 r270; Mechanical 14 "K" at 99.16,42.35 h1 r270; Mechanical 14 "J" at 97.76,42.35 h1 r270; Mechanical 14 "I" at 96.36,42.6 h1 r270; Mechanical 14 "H" at 94.96,42.35 h1 r270; Mechanical 14 "G" at 93.56,42.35 h1 r270; Mechanical 14 "F" at 92.16,42.35 h1 r270; Mechanical 14 "E" at 90.76,42.35 h1 r270; Mechanical 14 "D" at 89.36,42.35 h1 r270; Mechanical 14 "C" at 87.96,42.35 h1 r270; Mechanical 14 "B" at 86.56,42.35 h1 r270; Mechanical 14 "A" at 85.16,42.35 h1 r270
J23_Slot4: Drill Drawing "Diam. 0.5mm +/-0.05" at 115.49,59.85 h1; Drill Drawing "PRESS-FIT TECHNOLOGY" at 115.49,61.35 h1; Bottom Overlay "8" at 134.34,58.2 h1 r270; Bottom Overlay "7" at 134.34,56.2 h1 r270; Bottom Overlay "6" at 134.34,54.2 h1 r270; Bottom Overlay "5" at 134.34,52.2 h1 r270; Bottom Overlay "4" at 134.34,50.2 h1 r270; Bottom Overlay "3" at 134.34,48.2 h1 r270; Bottom Overlay "2" at 134.34,46.2 h1 r270; Bottom Overlay "1" at 134.34,44.2 h1 r270; Bottom Overlay "L" at 131.04,42.35 h1 r270; Bottom Overlay "K" at 129.64,42.35 h1 r270; Bottom Overlay "J" at 128.24,42.35 h1 r270; Bottom Overlay "I" at 126.84,42.6 h1 r270; Bottom Overlay "H" at 125.44,42.35 h1 r270; Bottom Overlay "G" at 124.04,42.35 h1 r270; Bottom Overlay "F" at 122.64,42.35 h1 r270; Bottom Overlay "E" at 121.24,42.35 h1 r270; Bottom Overlay "D" at 119.84,42.35 h1 r270; Bottom Overlay "C" at 118.44,42.35 h1 r270; Bottom Overlay "B" at 117.04,42.35 h1 r270; Bottom Overlay "A" at 115.64,42.35 h1 r270; Mechanical 14 "8" at 134.34,58.2 h1 r270; Mechanical 14 "7" at 134.34,56.2 h1 r270; Mechanical 14 "6" at 134.34,54.2 h1 r270; Mechanical 14 "5" at 134.34,52.2 h1 r270; Mechanical 14 "4" at 134.34,50.2 h1 r270; Mechanical 14 "3" at 134.34,48.2 h1 r270; Mechanical 14 "2" at 134.34,46.2 h1 r270; Mechanical 14 "1" at 134.34,44.2 h1 r270; Mechanical 14 "L" at 131.04,42.35 h1 r270; Mechanical 14 "K" at 129.64,42.35 h1 r270; Mechanical 14 "J" at 128.24,42.35 h1 r270; Mechanical 14 "I" at 126.84,42.6 h1 r270; Mechanical 14 "H" at 125.44,42.35 h1 r270; Mechanical 14 "G" at 124.04,42.35 h1 r270; Mechanical 14 "F" at 122.64,42.35 h1 r270; Mechanical 14 "E" at 121.24,42.35 h1 r270; Mechanical 14 "C" at 118.44,42.35 h1 r270; Mechanical 14 "D" at 119.84,42.35 h1 r270; Mechanical 14 "B" at 117.04,42.35 h1 r270; Mechanical 14 "A" at 115.64,42.35 h1 r270
J23_Slot5: Drill Drawing "Diam. 0.5mm +/-0.05" at 145.84,59.75 h1; Drill Drawing "PRESS-FIT TECHNOLOGY" at 145.84,61.25 h1; Bottom Overlay "8" at 164.82,58.2 h1 r270; Bottom Overlay "7" at 164.82,56.2 h1 r270; Bottom Overlay "6" at 164.82,54.2 h1 r270; Bottom Overlay "5" at 164.82,52.2 h1 r270; Bottom Overlay "4" at 164.82,50.2 h1 r270; Bottom Overlay "3" at 164.82,48.2 h1 r270; Bottom Overlay "2" at 164.82,46.2 h1 r270; Bottom Overlay "1" at 164.82,44.2 h1 r270; Bottom Overlay "L" at 161.52,42.35 h1 r270; Bottom Overlay "K" at 160.12,42.35 h1 r270; Bottom Overlay "J" at 158.72,42.35 h1 r270; Bottom Overlay "I" at 157.32,42.6 h1 r270; Bottom Overlay "H" at 155.92,42.35 h1 r270; Bottom Overlay "G" at 154.52,42.35 h1 r270; Bottom Overlay "F" at 153.12,42.35 h1 r270; Bottom Overlay "E" at 151.72,42.35 h1 r270; Bottom Overlay "D" at 150.32,42.35 h1 r270; Bottom Overlay "C" at 148.92,42.35 h1 r270; Bottom Overlay "B" at 147.52,42.35 h1 r270; Bottom Overlay "A" at 146.12,42.35 h1 r270; Mechanical 14 "8" at 164.82,58.2 h1 r270; Mechanical 14 "7" at 164.82,56.2 h1 r270; Mechanical 14 "6" at 164.82,54.2 h1 r270; Mechanical 14 "5" at 164.82,52.2 h1 r270; Mechanical 14 "4" at 164.82,50.2 h1 r270; Mechanical 14 "3" at 164.82,48.2 h1 r270; Mechanical 14 "2" at 164.82,46.2 h1 r270; Mechanical 14 "1" at 164.82,44.2 h1 r270; Mechanical 14 "L" at 161.52,42.35 h1 r270; Mechanical 14 "K" at 160.12,42.35 h1 r270; Mechanical 14 "J" at 158.72,42.35 h1 r270; Mechanical 14 "I" at 157.32,42.6 h1 r270; Mechanical 14 "H" at 155.92,42.35 h1 r270; Mechanical 14 "G" at 154.52,42.35 h1 r270; Mechanical 14 "F" at 153.12,42.35 h1 r270; Mechanical 14 "E" at 151.72,42.35 h1 r270; Mechanical 14 "C" at 148.92,42.35 h1 r270; Mechanical 14 "D" at 150.32,42.35 h1 r270; Mechanical 14 "B" at 147.52,42.35 h1 r270; Mechanical 14 "A" at 146.12,42.35 h1 r270
J23_Slot6: Drill Drawing "Diam. 0.5mm +/-0.05" at 176.33,59.85 h1; Drill Drawing "PRESS-FIT TECHNOLOGY" at 176.33,61.35 h1; Bottom Overlay "8" at 195.3,58.2 h1 r270; Bottom Overlay "7" at 195.3,56.2 h1 r270; Bottom Overlay "6" at 195.3,54.2 h1 r270; Bottom Overlay "5" at 195.3,52.2 h1 r270; Bottom Overlay "4" at 195.3,50.2 h1 r270; Bottom Overlay "3" at 195.3,48.2 h1 r270; Bottom Overlay "2" at 195.3,46.2 h1 r270; Bottom Overlay "1" at 195.3,44.2 h1 r270; Bottom Overlay "L" at 192,42.35 h1 r270; Bottom Overlay "K" at 190.6,42.35 h1 r270; Bottom Overlay "J" at 189.2,42.35 h1 r270; Bottom Overlay "I" at 187.8,42.6 h1 r270; Bottom Overlay "H" at 186.4,42.35 h1 r270; Bottom Overlay "G" at 185,42.35 h1 r270; Bottom Overlay "F" at 183.6,42.35 h1 r270; Bottom Overlay "E" at 182.2,42.35 h1 r270; Bottom Overlay "D" at 180.8,42.35 h1 r270; Bottom Overlay "C" at 179.4,42.35 h1 r270; Bottom Overlay "B" at 178,42.35 h1 r270; Bottom Overlay "A" at 176.6,42.35 h1 r270; Mechanical 14 "8" at 195.3,58.2 h1 r270; Mechanical 14 "7" at 195.3,56.2 h1 r270; Mechanical 14 "6" at 195.3,54.2 h1 r270; Mechanical 14 "5" at 195.3,52.2 h1 r270; Mechanical 14 "4" at 195.3,50.2 h1 r270; Mechanical 14 "3" at 195.3,48.2 h1 r270; Mechanical 14 "2" at 195.3,46.2 h1 r270; Mechanical 14 "1" at 195.3,44.2 h1 r270; Mechanical 14 "L" at 192,42.35 h1 r270; Mechanical 14 "K" at 190.6,42.35 h1 r270; Mechanical 14 "J" at 189.2,42.35 h1 r270; Mechanical 14 "I" at 187.8,42.6 h1 r270; Mechanical 14 "H" at 186.4,42.35 h1 r270; Mechanical 14 "G" at 185,42.35 h1 r270; Mechanical 14 "F" at 183.6,42.35 h1 r270; Mechanical 14 "E" at 182.2,42.35 h1 r270; Mechanical 14 "C" at 179.4,42.35 h1 r270; Mechanical 14 "D" at 180.8,42.35 h1 r270; Mechanical 14 "B" at 178,42.35 h1 r270; Mechanical 14 "A" at 176.6,42.35 h1 r270
J23_Slot7: Drill Drawing "PRESS-FIT TECHNOLOGY" at 206.35,61.35 h1; Drill Drawing "Diam. 0.5mm +/-0.05" at 206.35,59.85 h1; Bottom Overlay "8" at 225.78,58.2 h1 r270; Bottom Overlay "7" at 225.78,56.2 h1 r270; Bottom Overlay "6" at 225.78,54.2 h1 r270; Bottom Overlay "5" at 225.78,52.2 h1 r270; Bottom Overlay "4" at 225.78,50.2 h1 r270; Bottom Overlay "3" at 225.78,48.2 h1 r270; Bottom Overlay "2" at 225.78,46.2 h1 r270; Bottom Overlay "1" at 225.78,44.2 h1 r270; Bottom Overlay "L" at 222.48,42.35 h1 r270; Bottom Overlay "K" at 221.08,42.35 h1 r270; Bottom Overlay "J" at 219.68,42.35 h1 r270; Bottom Overlay "I" at 218.28,42.6 h1 r270; Bottom Overlay "H" at 216.88,42.35 h1 r270; Bottom Overlay "G" at 215.48,42.35 h1 r270; Bottom Overlay "F" at 214.08,42.35 h1 r270; Bottom Overlay "E" at 212.68,42.35 h1 r270; Bottom Overlay "C" at 209.88,42.35 h1 r270; Bottom Overlay "D" at 211.28,42.35 h1 r270; Bottom Overlay "B" at 208.48,42.35 h1 r270; Bottom Overlay "A" at 207.08,42.35 h1 r270; Mechanical 14 "8" at 225.78,58.2 h1 r270; Mechanical 14 "7" at 225.78,56.2 h1 r270; Mechanical 14 "6" at 225.78,54.2 h1 r270; Mechanical 14 "5" at 225.78,52.2 h1 r270; Mechanical 14 "4" at 225.78,50.2 h1 r270; Mechanical 14 "3" at 225.78,48.2 h1 r270; Mechanical 14 "2" at 225.78,46.2 h1 r270; Mechanical 14 "1" at 225.78,44.2 h1 r270; Mechanical 14 "L" at 222.48,42.35 h1 r270; Mechanical 14 "K" at 221.08,42.35 h1 r270; Mechanical 14 "J" at 219.68,42.35 h1 r270; Mechanical 14 "I" at 218.28,42.6 h1 r270; Mechanical 14 "H" at 216.88,42.35 h1 r270; Mechanical 14 "G" at 215.48,42.35 h1 r270; Mechanical 14 "F" at 214.08,42.35 h1 r270; Mechanical 14 "E" at 212.68,42.35 h1 r270; Mechanical 14 "D" at 211.28,42.35 h1 r270; Mechanical 14 "C" at 209.88,42.35 h1 r270; Mechanical 14 "B" at 208.48,42.35 h1 r270; Mechanical 14 "A" at 207.08,42.35 h1 r270
J23_Slot8: Drill Drawing "Diam. 0.5mm +/-0.05" at 237.54,59.75 h1; Drill Drawing "PRESS-FIT TECHNOLOGY" at 237.24,61.15 h1; Bottom Overlay "8" at 256.26,58.2 h1 r270; Bottom Overlay "7" at 256.26,56.2 h1 r270; Bottom Overlay "6" at 256.26,54.2 h1 r270; Bottom Overlay "5" at 256.26,52.2 h1 r270; Bottom Overlay "4" at 256.26,50.2 h1 r270; Bottom Overlay "3" at 256.26,48.2 h1 r270; Bottom Overlay "2" at 256.26,46.2 h1 r270; Bottom Overlay "1" at 256.26,44.2 h1 r270; Bottom Overlay "L" at 252.96,42.35 h1 r270; Bottom Overlay "K" at 251.56,42.35 h1 r270; Bottom Overlay "J" at 250.16,42.35 h1 r270; Bottom Overlay "I" at 248.76,42.6 h1 r270; Bottom Overlay "H" at 247.36,42.35 h1 r270; Bottom Overlay "G" at 245.96,42.35 h1 r270; Bottom Overlay "F" at 244.56,42.35 h1 r270; Bottom Overlay "E" at 243.16,42.35 h1 r270; Bottom Overlay "C" at 240.36,42.35 h1 r270; Bottom Overlay "D" at 241.76,42.35 h1 r270; Bottom Overlay "B" at 238.96,42.35 h1 r270; Bottom Overlay "A" at 237.56,42.35 h1 r270; Mechanical 14 "8" at 256.26,58.2 h1 r270; Mechanical 14 "7" at 256.26,56.2 h1 r270; Mechanical 14 "6" at 256.26,54.2 h1 r270; Mechanical 14 "5" at 256.26,52.2 h1 r270; Mechanical 14 "4" at 256.26,50.2 h1 r270; Mechanical 14 "3" at 256.26,48.2 h1 r270; Mechanical 14 "2" at 256.26,46.2 h1 r270; Mechanical 14 "1" at 256.26,44.2 h1 r270; Mechanical 14 "L" at 252.96,42.35 h1 r270; Mechanical 14 "K" at 251.56,42.35 h1 r270; Mechanical 14 "J" at 250.16,42.35 h1 r270; Mechanical 14 "I" at 248.76,42.6 h1 r270; Mechanical 14 "H" at 247.36,42.35 h1 r270; Mechanical 14 "G" at 245.96,42.35 h1 r270; Mechanical 14 "F" at 244.56,42.35 h1 r270; Mechanical 14 "E" at 243.16,42.35 h1 r270; Mechanical 14 "D" at 241.76,42.35 h1 r270; Mechanical 14 "C" at 240.36,42.35 h1 r270; Mechanical 14 "B" at 238.96,42.35 h1 r270; Mechanical 14 "A" at 237.56,42.35 h1 r270
J24_Slot1: Drill Drawing "Diam. 0.5mm +/-0.05" at 24.172,79.35 h1; Drill Drawing "PRESS-FIT TECHNOLOGY" at 23.291,80.85 h1; Bottom Overlay "8" at 42.9,77.2 h1 r270; Bottom Overlay "7" at 42.9,75.2 h1 r270; Bottom Overlay "6" at 42.9,73.2 h1 r270; Bottom Overlay "5" at 42.9,71.2 h1 r270; Bottom Overlay "4" at 42.9,69.2 h1 r270; Bottom Overlay "3" at 42.9,67.2 h1 r270; Bottom Overlay "2" at 42.9,65.2 h1 r270; Bottom Overlay "1" at 42.9,63.2 h1 r270; Mechanical 14 "8" at 42.9,77.2 h1 r270; Mechanical 14 "7" at 42.9,75.2 h1 r270; Mechanical 14 "6" at 42.9,73.2 h1 r270; Mechanical 14 "5" at 42.9,71.2 h1 r270; Mechanical 14 "4" at 42.9,69.2 h1 r270; Mechanical 14 "3" at 42.9,67.2 h1 r270; Mechanical 14 "2" at 42.9,65.2 h1 r270; Mechanical 14 "1" at 42.9,63.2 h1 r270; Mechanical 14 "L" at 39.6,61.35 h1 r270; Mechanical 14 "K" at 38.2,61.35 h1 r270; Mechanical 14 "J" at 36.8,61.35 h1 r270; Mechanical 14 "I" at 35.4,61.6 h1 r270; Mechanical 14 "H" at 34,61.35 h1 r270; Mechanical 14 "G" at 32.6,61.35 h1 r270; Mechanical 14 "F" at 31.2,61.35 h1 r270; Mechanical 14 "E" at 29.8,61.35 h1 r270; Mechanical 14 "D" at 28.4,61.35 h1 r270; Mechanical 14 "C" at 27,61.35 h1 r270; Mechanical 14 "B" at 25.6,61.35 h1 r270; Mechanical 14 "A" at 24.2,61.35 h1 r270
J24_Slot2: Drill Drawing "Diam. 0.5mm +/-0.05" at 54.492,79.35 h1; Drill Drawing "PRESS-FIT TECHNOLOGY" at 53.611,80.85 h1; Bottom Overlay "8" at 73.38,77.2 h1 r270; Bottom Overlay "7" at 73.38,75.2 h1 r270; Bottom Overlay "6" at 73.38,73.2 h1 r270; Bottom Overlay "5" at 73.38,71.2 h1 r270; Bottom Overlay "4" at 73.38,69.2 h1 r270; Bottom Overlay "3" at 73.38,67.2 h1 r270; Bottom Overlay "2" at 73.38,65.2 h1 r270; Bottom Overlay "1" at 73.38,63.2 h1 r270; Mechanical 14 "8" at 73.38,77.2 h1 r270; Mechanical 14 "7" at 73.38,75.2 h1 r270; Mechanical 14 "6" at 73.38,73.2 h1 r270; Mechanical 14 "5" at 73.38,71.2 h1 r270; Mechanical 14 "4" at 73.38,69.2 h1 r270; Mechanical 14 "3" at 73.38,67.2 h1 r270; Mechanical 14 "2" at 73.38,65.2 h1 r270; Mechanical 14 "1" at 73.38,63.2 h1 r270; Mechanical 14 "L" at 70.08,61.35 h1 r270; Mechanical 14 "K" at 68.68,61.35 h1 r270; Mechanical 14 "J" at 67.28,61.35 h1 r270; Mechanical 14 "I" at 65.88,61.6 h1 r270; Mechanical 14 "H" at 64.48,61.35 h1 r270; Mechanical 14 "G" at 63.08,61.35 h1 r270; Mechanical 14 "F" at 61.68,61.35 h1 r270; Mechanical 14 "E" at 60.28,61.35 h1 r270; Mechanical 14 "D" at 58.88,61.35 h1 r270; Mechanical 14 "C" at 57.48,61.35 h1 r270; Mechanical 14 "B" at 56.08,61.35 h1 r270; Mechanical 14 "A" at 54.68,61.35 h1 r270
J24_Slot3: Drill Drawing "Diam. 0.5mm +/-0.05" at 84.938,79.126 h1; Drill Drawing "PRESS-FIT TECHNOLOGY" at 84.057,80.626 h1; Bottom Overlay "8" at 103.86,77.2 h1 r270; Bottom Overlay "7" at 103.86,75.2 h1 r270; Bottom Overlay "6" at 103.86,73.2 h1 r270; Bottom Overlay "5" at 103.86,71.2 h1 r270; Bottom Overlay "4" at 103.86,69.2 h1 r270; Bottom Overlay "3" at 103.86,67.2 h1 r270; Bottom Overlay "2" at 103.86,65.2 h1 r270; Bottom Overlay "1" at 103.86,63.2 h1 r270; Mechanical 14 "8" at 103.86,77.2 h1 r270; Mechanical 14 "7" at 103.86,75.2 h1 r270; Mechanical 14 "6" at 103.86,73.2 h1 r270; Mechanical 14 "5" at 103.86,71.2 h1 r270; Mechanical 14 "4" at 103.86,69.2 h1 r270; Mechanical 14 "3" at 103.86,67.2 h1 r270; Mechanical 14 "2" at 103.86,65.2 h1 r270; Mechanical 14 "1" at 103.86,63.2 h1 r270; Mechanical 14 "L" at 100.56,61.35 h1 r270; Mechanical 14 "K" at 99.16,61.35 h1 r270; Mechanical 14 "J" at 97.76,61.35 h1 r270; Mechanical 14 "I" at 96.36,61.6 h1 r270; Mechanical 14 "H" at 94.96,61.35 h1 r270; Mechanical 14 "G" at 93.56,61.35 h1 r270; Mechanical 14 "F" at 92.16,61.35 h1 r270; Mechanical 14 "E" at 90.76,61.35 h1 r270; Mechanical 14 "D" at 89.36,61.35 h1 r270; Mechanical 14 "C" at 87.96,61.35 h1 r270; Mechanical 14 "B" at 86.56,61.35 h1 r270; Mechanical 14 "A" at 85.16,61.35 h1 r270
J24_Slot4: Drill Drawing "Diam. 0.5mm +/-0.05" at 115.532,79.55 h1; Drill Drawing "PRESS-FIT TECHNOLOGY" at 114.651,81.05 h1; Bottom Overlay "8" at 134.34,77.2 h1 r270; Bottom Overlay "7" at 134.34,75.2 h1 r270; Bottom Overlay "6" at 134.34,73.2 h1 r270; Bottom Overlay "5" at 134.34,71.2 h1 r270; Bottom Overlay "4" at 134.34,69.2 h1 r270; Bottom Overlay "3" at 134.34,67.2 h1 r270; Bottom Overlay "2" at 134.34,65.2 h1 r270; Bottom Overlay "1" at 134.34,63.2 h1 r270; Mechanical 14 "8" at 134.34,77.2 h1 r270; Mechanical 14 "7" at 134.34,75.2 h1 r270; Mechanical 14 "6" at 134.34,73.2 h1 r270; Mechanical 14 "5" at 134.34,71.2 h1 r270; Mechanical 14 "4" at 134.34,69.2 h1 r270; Mechanical 14 "3" at 134.34,67.2 h1 r270; Mechanical 14 "2" at 134.34,65.2 h1 r270; Mechanical 14 "1" at 134.34,63.2 h1 r270; Mechanical 14 "L" at 131.04,61.35 h1 r270; Mechanical 14 "K" at 129.64,61.35 h1 r270; Mechanical 14 "J" at 128.24,61.35 h1 r270; Mechanical 14 "I" at 126.84,61.6 h1 r270; Mechanical 14 "H" at 125.44,61.35 h1 r270; Mechanical 14 "G" at 124.04,61.35 h1 r270; Mechanical 14 "F" at 122.64,61.35 h1 r270; Mechanical 14 "E" at 121.24,61.35 h1 r270; Mechanical 14 "D" at 119.84,61.35 h1 r270; Mechanical 14 "C" at 118.44,61.35 h1 r270; Mechanical 14 "B" at 117.04,61.35 h1 r270; Mechanical 14 "A" at 115.64,61.35 h1 r270
J24_Slot5: Drill Drawing "Diam. 0.5mm +/-0.05" at 146.052,79.35 h1; Drill Drawing "PRESS-FIT TECHNOLOGY" at 145.171,80.85 h1; Bottom Overlay "8" at 164.82,77.2 h1 r270; Bottom Overlay "7" at 164.82,75.2 h1 r270; Bottom Overlay "6" at 164.82,73.2 h1 r270; Bottom Overlay "5" at 164.82,71.2 h1 r270; Bottom Overlay "4" at 164.82,69.2 h1 r270; Bottom Overlay "3" at 164.82,67.2 h1 r270; Bottom Overlay "2" at 164.82,65.2 h1 r270; Bottom Overlay "1" at 164.82,63.2 h1 r270; Mechanical 14 "8" at 164.82,77.2 h1 r270; Mechanical 14 "7" at 164.82,75.2 h1 r270; Mechanical 14 "6" at 164.82,73.2 h1 r270; Mechanical 14 "5" at 164.82,71.2 h1 r270; Mechanical 14 "4" at 164.82,69.2 h1 r270; Mechanical 14 "3" at 164.82,67.2 h1 r270; Mechanical 14 "2" at 164.82,65.2 h1 r270; Mechanical 14 "1" at 164.82,63.2 h1 r270; Mechanical 14 "L" at 161.52,61.35 h1 r270; Mechanical 14 "K" at 160.12,61.35 h1 r270; Mechanical 14 "J" at 158.72,61.35 h1 r270; Mechanical 14 "I" at 157.32,61.6 h1 r270; Mechanical 14 "H" at 155.92,61.35 h1 r270; Mechanical 14 "G" at 154.52,61.35 h1 r270; Mechanical 14 "F" at 153.12,61.35 h1 r270; Mechanical 14 "E" at 151.72,61.35 h1 r270; Mechanical 14 "D" at 150.32,61.35 h1 r270; Mechanical 14 "C" at 148.92,61.35 h1 r270; Mechanical 14 "B" at 147.52,61.35 h1 r270; Mechanical 14 "A" at 146.12,61.35 h1 r270
J24_Slot6: Drill Drawing "Diam. 0.5mm +/-0.05" at 176.572,79.55 h1; Drill Drawing "PRESS-FIT TECHNOLOGY" at 175.691,81.05 h1; Bottom Overlay "8" at 195.3,77.2 h1 r270; Bottom Overlay "7" at 195.3,75.2 h1 r270; Bottom Overlay "6" at 195.3,73.2 h1 r270; Bottom Overlay "5" at 195.3,71.2 h1 r270; Bottom Overlay "4" at 195.3,69.2 h1 r270; Bottom Overlay "3" at 195.3,67.2 h1 r270; Bottom Overlay "2" at 195.3,65.2 h1 r270; Bottom Overlay "1" at 195.3,63.2 h1 r270; Mechanical 14 "8" at 195.3,77.2 h1 r270; Mechanical 14 "7" at 195.3,75.2 h1 r270; Mechanical 14 "6" at 195.3,73.2 h1 r270; Mechanical 14 "5" at 195.3,71.2 h1 r270; Mechanical 14 "4" at 195.3,69.2 h1 r270; Mechanical 14 "3" at 195.3,67.2 h1 r270; Mechanical 14 "2" at 195.3,65.2 h1 r270; Mechanical 14 "1" at 195.3,63.2 h1 r270; Mechanical 14 "L" at 192,61.35 h1 r270; Mechanical 14 "L" at 192,61.35 h1 r270; Mechanical 14 "K" at 190.6,61.35 h1 r270; Mechanical 14 "K" at 190.6,61.35 h1 r270; Mechanical 14 "J" at 189.2,61.35 h1 r270; Mechanical 14 "J" at 189.2,61.35 h1 r270; Mechanical 14 "I" at 187.8,61.6 h1 r270; Mechanical 14 "I" at 187.8,61.6 h1 r270; Mechanical 14 "H" at 186.4,61.35 h1 r270; Mechanical 14 "H" at 186.4,61.35 h1 r270; Mechanical 14 "G" at 185,61.35 h1 r270; Mechanical 14 "G" at 185,61.35 h1 r270; Mechanical 14 "F" at 183.6,61.35 h1 r270; Mechanical 14 "F" at 183.6,61.35 h1 r270; Mechanical 14 "E" at 182.2,61.35 h1 r270; Mechanical 14 "E" at 182.2,61.35 h1 r270; Mechanical 14 "C" at 179.4,61.35 h1 r270; Mechanical 14 "D" at 180.8,61.35 h1 r270; Mechanical 14 "D" at 180.8,61.35 h1 r270; Mechanical 14 "C" at 179.4,61.35 h1 r270; Mechanical 14 "B" at 178,61.35 h1 r270; Mechanical 14 "B" at 178,61.35 h1 r270; Mechanical 14 "A" at 176.6,61.35 h1 r270; Mechanical 14 "A" at 176.6,61.35 h1 r270
J24_Slot7: Drill Drawing "Diam. 0.5mm +/-0.05" at 207.092,79.35 h1; Drill Drawing "PRESS-FIT TECHNOLOGY" at 206.211,80.85 h1; Bottom Overlay "8" at 225.78,77.2 h1 r270; Bottom Overlay "7" at 225.78,75.2 h1 r270; Bottom Overlay "6" at 225.78,73.2 h1 r270; Bottom Overlay "5" at 225.78,71.2 h1 r270; Bottom Overlay "4" at 225.78,69.2 h1 r270; Bottom Overlay "3" at 225.78,67.2 h1 r270; Bottom Overlay "2" at 225.78,65.2 h1 r270; Bottom Overlay "1" at 225.78,63.2 h1 r270; Mechanical 14 "8" at 225.78,77.2 h1 r270; Mechanical 14 "7" at 225.78,75.2 h1 r270; Mechanical 14 "6" at 225.78,73.2 h1 r270; Mechanical 14 "5" at 225.78,71.2 h1 r270; Mechanical 14 "4" at 225.78,69.2 h1 r270; Mechanical 14 "3" at 225.78,67.2 h1 r270; Mechanical 14 "2" at 225.78,65.2 h1 r270; Mechanical 14 "1" at 225.78,63.2 h1 r270; Mechanical 14 "L" at 222.48,61.35 h1 r270; Mechanical 14 "K" at 221.08,61.35 h1 r270; Mechanical 14 "J" at 219.68,61.35 h1 r270; Mechanical 14 "I" at 218.28,61.6 h1 r270; Mechanical 14 "H" at 216.88,61.35 h1 r270; Mechanical 14 "G" at 215.48,61.35 h1 r270; Mechanical 14 "F" at 214.08,61.35 h1 r270; Mechanical 14 "D" at 211.28,61.35 h1 r270; Mechanical 14 "E" at 212.68,61.35 h1 r270; Mechanical 14 "C" at 209.88,61.35 h1 r270; Mechanical 14 "B" at 208.48,61.35 h1 r270; Mechanical 14 "A" at 207.08,61.35 h1 r270